# Altium PCB 智能锁实践教学平台.PcbDoc (part 3 of 3)
Units mil, origin at the board's own origin, x right, y up, seen from the top; angles counter-clockwise.
Board outline 8937.01 x 5984.25 mil, 2 copper layers (Top Layer, Bottom Layer); 219 components, 185 nets, 950 pads, 283 vias.
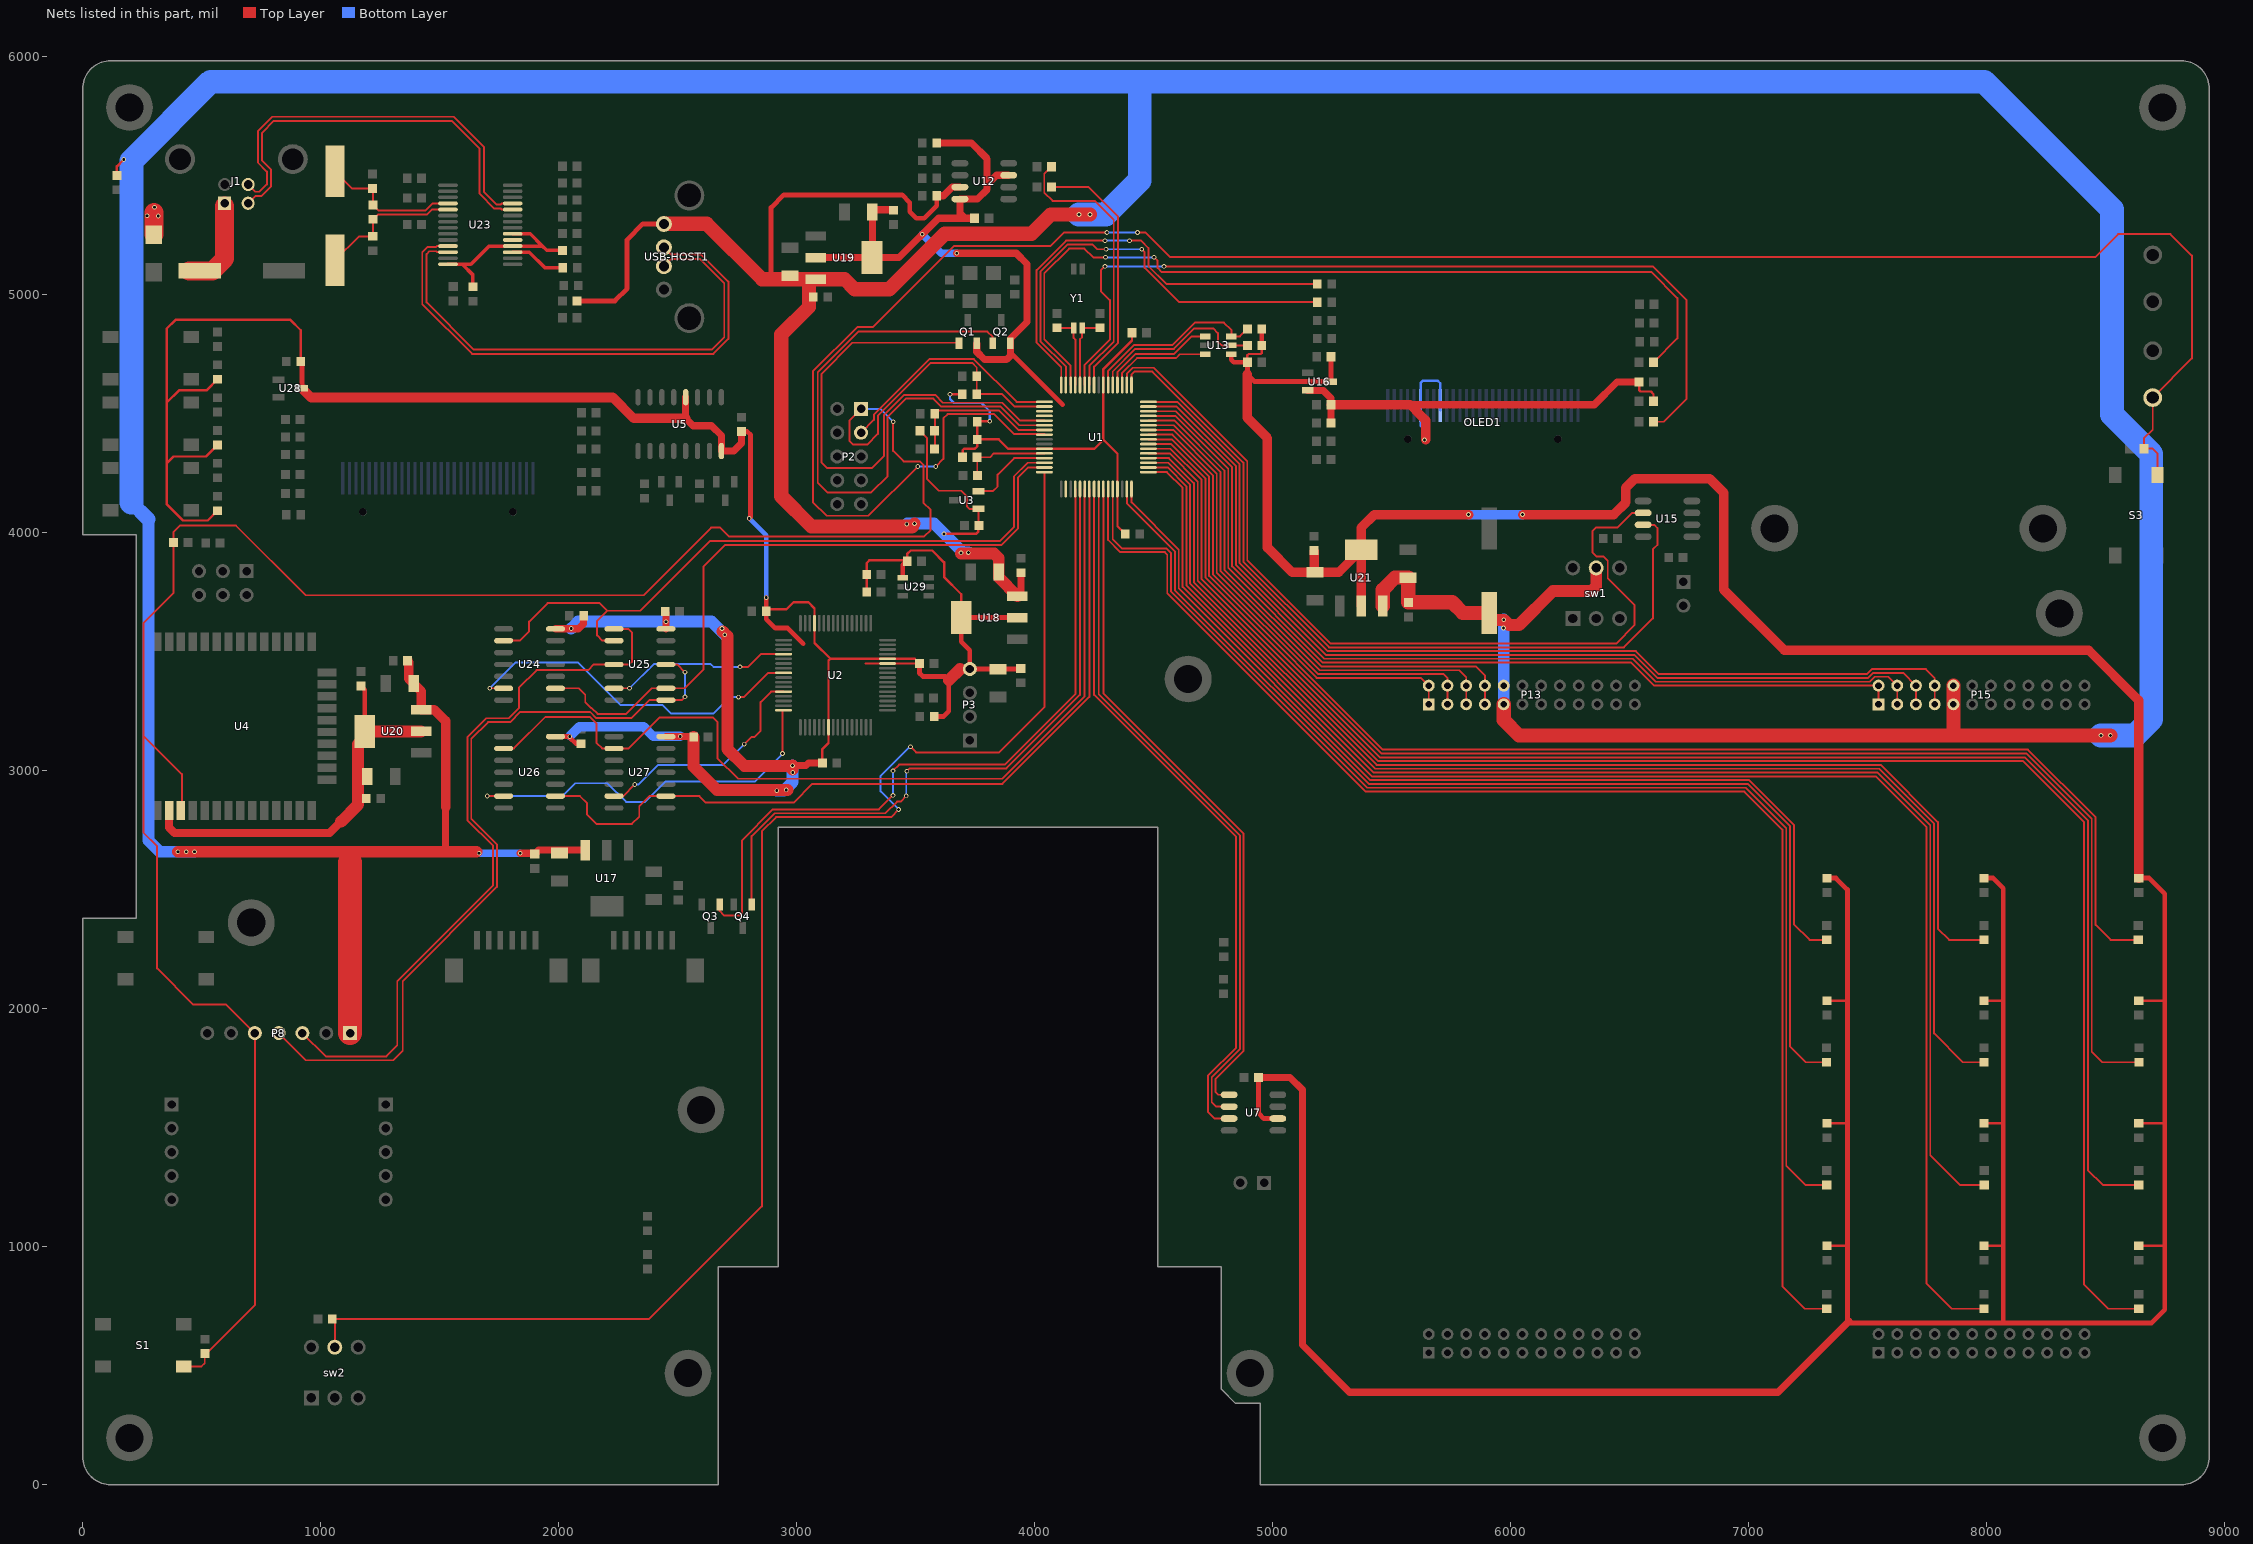
[diagram p3: the nets of this part, all layers, seen from the top]

## Via types
v1: diameter 19.68, hole 11.81, Top Layer to Bottom Layer, 283 vias

## Nets (pads, with @x,y where several pads share a name; then routed paths per layer and width w, separated by ;. In a path a pad name is that pad's centre, name@x,y a point inside that pad or via, vN(x,y) a via of type N, cw(c..) or ccw(c..) an arc to the next point about the centre after c; other vN are vias at no path point) (continued)
NRST: C2.2 C14.1 P2.1 P8.5 R1.2 R55.1 S1.1 U1.2 U4.3 | length 9843.6
  Top Layer w8: 255.5,3147.24 417,2985.74 U4.3@417,2850 ; S1.1@424.74,496.72 499.42,496.72 513,510.3 513,543.3 723.61,753.91 P8.5@723.61,1897.74 603.61,2017.74 465,2017.74 313,2169.74 313,2682.74 255,2740.74 255,3619.74 381.69,3746.43 381.69,4003.43 409,4030.74 644.37,4030.74 937.37,3737.74 2357,3737.74 2641,4021.74 2679,4021.74 2716,3984.74 3536,3984.74 3563,4011.74 3563,4096.74 3533,4126.74 3533,4285.63 3518.05,4300.58 3450.16,4300.58 3406,4344.74 v1(3406,4466.74) ; P2.1@3271,4520.74 3222,4471.74 3222,4386.74 3238,4370.74 3297,4370.74 3342,4415.74 3342,4491.11 3564.63,4713.74 3738.37,4713.74 3757.32,4694.8 R1.2@3757.32,4582.74 ; R1.2@3763.32,4582.74 3864,4582.74 3916.05,4530.69 U1.2@4041.5,4530.69
  Bottom Layer w8: P2.1@3271,4520.74 3352,4520.74 v1(3406,4466.74)
OLED_VCC: C21.1 C22.1 OLED1.6 OLED1.9 R21.1 R22.1 U16.2 | length 2446.3
  Top Layer w10: 5592,4503.74 5631,4464.74 5631,4391.74 v1@5644,4391.74 ; R21.1@6540.69,4634.07 6540.69,4600.05 6547,4593.74 6590,4593.74 6601.31,4582.43 R22.1@6601.31,4552.74
  Top Layer w30: U16.2@5147.79,4598.34 5213.4,4598.34 5246,4565.74 C21.1@5246,4538.03 C22.1@5246,4461.6 ; 5578.71,4538.03 6352.29,4538.03 6448.33,4634.07 R21.1@6540.69,4634.07
  Top Layer w40: C21.1@5246,4538.03 5578.71,4538.03 5644,4472.74 v1@5644,4391.74
  Bottom Layer w10: v1(5639,4390.74) 5639,4434.74 5622.43,4451.31 5622.43,4629.17 5633,4639.74 5694,4639.74 5705.1,4628.64 OLED1.9@5705.1,4515.75
OSC32_IN: C3.2 U1.60 Y1.1 | length 318.5
  Top Layer w8: U1.60@4191.1,4621.24 4191.1,4813.84 4200.11,4822.85 Y1.1@4200.11,4860.91 4274.49,4860.91 C3.2@4275,4861.43
OSC32_OUT: C1.2 U1.61 Y1.2 | length 311.6
  Top Layer w8: C1.2@4095,4861.43 Y1.2@4164.17,4861.43 ; Y1.2@4164.68,4860.91 4164.68,4819.06 4171.42,4812.32 U1.61@4171.42,4621.24
PA2: U1.3
PA3: U1.4
PA4: Q1.1 U1.5 | length 2240.7
  Top Layer w8: Q1.1@3682.71,4796.28 3682.71,4809.03 3672.42,4798.74 3235,4798.74 3105,4668.74 3105,4294.74 3127,4272.74 3318,4272.74 3367,4321.74 3367,4493.49 3453.25,4579.74 3582,4579.74 3615,4546.74 3864,4546.74 3939.1,4471.64 U1.5@4041.5,4471.64
PA5: Q2.1 U1.6 | length 2631
  Top Layer w8: Q2.1@3823.71,4796.28 3823.71,4824.03 3802,4845.74 3259.37,4845.74 3089,4675.37 3089,4210.74 3130,4169.74 3314,4169.74 3383,4238.74 3383,4486.86 3459.88,4563.74 3575.37,4563.74 3608.37,4530.74 3857.37,4530.74 3936.16,4451.95 U1.6@4041.5,4451.95
PA6: C30.2 R24.1 R25.2 U1.7 | length 652.3
  Top Layer w8: R25.2@3582.32,4355.74 3582.32,4514.74 3850,4514.74 3932.47,4432.27 U1.7@4041.5,4432.27
PA7: C31.1 P9.1 S3.1 U1.8 | length 9066.6
  Top Layer w8: v1(3509,4278.74) 3302,4071.74 3126,4071.74 3069,4128.74 3069,4678.74 3255,4864.74 3321,4864.74 3661,5204.74 4066,5204.74 4123,5261.74 v1(4304,5261.74) ; v1(3585,4278.74) 3617,4310.74 3617,4480.74 3635,4498.74 3831,4498.74 3915,4414.74 4041.5,4414.74 U1.8@4041.5,4412.58 ; v1(4433,5261.74) 4467,5261.74 4570,5158.74 8457,5158.74 8554,5255.74 8773,5255.74 8864,5164.74 8864,4733.29 P9.1@8699,4568.29 8699,4434.11 8662.31,4397.43 C31.1@8662.31,4353.74 8699,4353.74 8718.58,4334.16 S3.1@8718.58,4243.04
  Bottom Layer w8: v1(3509,4278.74) v1(3585,4278.74) ; v1(4304,5261.74) v1(4433,5261.74)
PB0: R27.1 U1.31 | length 4610.3
  Top Layer w8: U1.31@4387.95,4184.24 4387.95,4123.79 4590,3921.74 4590,3759.51 5404.77,2944.74 6996.37,2944.74 7175,2766.11 7175,1840.74 7240.31,1775.43 R27.1@7328,1775.43
PB1: R26.1 U1.32 | length 4079.2
  Top Layer w8: U1.32@4407.64,4184.24 4407.64,4127.81 4606,3929.45 4606,3766.14 5411.4,2960.74 7003,2960.74 7191,2772.74 7191,2355.74 7257.31,2289.43 R26.1@7329,2289.43
PB2: R33.1 U1.33 | length 6335.7
  Top Layer w8: U1.33@4478.5,4255.1 4555.97,4255.1 4622,4189.07 4622,3772.77 5418.03,2976.74 7536,2976.74 7748,2764.74 7748,845.74 7854.31,739.43 R33.1@7990,739.43
PB3: R32.1 U1.34 | length 5818.2
  Top Layer w8: U1.34@4478.5,4274.79 4558.91,4274.79 4638,4195.7 4638,3779.39 5424.65,2992.74 7542.63,2992.74 7764,2771.37 7764,1383.74 7888.31,1259.43 R32.1@7991,1259.43
PB4: R31.1 U1.35 | length 5315
  Top Layer w8: U1.35@4478.5,4294.47 4561.86,4294.47 4654,4202.33 4654,3786.02 5431.28,3008.74 7549.25,3008.74 7780,2777.99 7780,1896.74 7901.31,1775.43 R31.1@7990,1775.43
PB5: R30.1 U1.36 | length 4856.4
  Top Layer w8: U1.36@4478.5,4314.16 4564.8,4314.16 4670,4208.96 4670,3792.65 5437.91,3024.74 7555.88,3024.74 7796,2784.62 7796,2336.74 7843.31,2289.43 R30.1@7990,2289.43
PB6: R37.1 U1.37 | length 7033
  Top Layer w8: U1.37@4478.5,4333.84 4567.74,4333.84 4686,4215.58 4686,3799.27 5444.53,3040.74 8155,3040.74 8411,2784.74 8411,840.74 8512.31,739.43 R37.1@8640,739.43
PB7: R36.1 U1.38 | length 6547.9
  Top Layer w8: U1.38@4478.5,4353.53 4570.68,4353.53 4702,4222.21 4702,3805.9 5451.16,3056.74 8161.63,3056.74 8427,2791.37 8427,1321.74 8489.31,1259.43 R36.1@8640,1259.43
PC0: R14.1 U1.53 U13.5 | length 747.9
  Top Layer w8: U1.53@4328.9,4621.24 4328.9,4678.01 4423.63,4772.74 4585.37,4772.74 4671.37,4858.74 4752,4858.74 4771,4839.74 4771,4803.74 4787,4787.74 U13.5@4827.12,4787.74 R14.1@4894.69,4787.74
PC1: R13.1 U1.54 U13.6 | length 782.6
  Top Layer w8: U1.54@4309.21,4621.24 4309.21,4680.95 4417,4788.74 4578.75,4788.74 4673.75,4883.74 4796,4883.74 4827.12,4852.62 U13.6@4827.12,4825.14 4863.09,4825.14 R13.1@4894.69,4856.74
PC4: R19.1 U1.59 | length 3661
  Top Layer w8: U1.59@4210.79,4621.24 4210.79,4705.53 4317,4811.74 4317,4977.74 4279,5015.74 4279,5102.74 v1(4296,5119.74) ; v1(4544,5119.74) 6597,5119.74 6740,4976.74 6740,4562.74 6644,4466.74 R19.1@6601.31,4466.74
  Bottom Layer w8: v1(4296,5119.74) v1(4544,5119.74)
PC7: R20.1 U1.62 | length 3634.1
  Top Layer w8: U1.62@4151.73,4621.24 4151.73,4702.01 4041,4812.74 4041,5090.49 4145.25,5194.74 4210,5194.74 4247,5157.74 v1(4298,5157.74) ; v1(4502,5157.74) 4517,5142.74 4517,5113.74 4535,5095.74 6593,5095.74 6702,4986.74 6702,4817.43 R20.1@6601.31,4716.74
  Bottom Layer w8: v1(4298,5157.74) v1(4502,5157.74)
PD0: U1.25 U7.2 | length 2951.6
  Top Layer w8: U1.25@4269.84,4184.24 4269.84,3322.27 4863,2729.11 4863,1830.11 4745,1712.11 4745,1607.74 4764,1588.74 U7.2@4817.64,1588.74
PD1: U1.26 U7.1 | length 2888.7
  Top Layer w8: U1.26@4289.53,4184.24 4289.53,3325.21 4879,2735.74 4879,1823.49 4761,1705.49 4761,1649.74 4772,1638.74 U7.1@4817.64,1638.74
PD2: R29.1 U1.27 | length 5791.5
  Top Layer w8: U1.27@4309.21,4184.24 4309.21,3969.9 4360.37,3918.74 4547.75,3918.74 4558,3908.49 4558,3746.26 5391.52,2912.74 6983.12,2912.74 7143,2752.86 7143,833.74 7237.31,739.43 R29.1@7329,739.43
PD3: R28.1 U1.28 | length 5262.1
  Top Layer w8: U1.28@4328.9,4184.24 4328.9,3972.84 4367,3934.74 4554.37,3934.74 4574,3915.11 4574,3752.88 5398.14,2928.74 6989.75,2928.74 7159,2759.49 7159,1339.74 7239.31,1259.43 R28.1@7329,1259.43
PD4: P15.1 P15.2 U1.45 | length 3860.2
  Top Layer w8: U1.45@4478.5,4491.32 4591.28,4491.32 4814,4268.6 4814,3852.29 5211.55,3454.74 6507.12,3454.74 6603.75,3358.11 P15.2@7546.73,3358.11 P15.1@7546.73,3279.37
PD5: P15.3 P15.4 U1.46 | length 3964.5
  Top Layer w8: U1.46@4478.5,4511.01 4594.22,4511.01 4830,4275.23 4830,3858.92 5218.18,3470.74 6513.75,3470.74 6610.37,3374.11 7510.41,3374.11 7531.41,3395.11 7588.47,3395.11 P15.4@7625.47,3358.11 P15.3@7625.47,3279.37
PD6: P15.5 P15.6 U1.47 | length 4051.4
  Top Layer w8: U1.47@4478.5,4530.69 4597.17,4530.69 4846,4281.86 4846,3865.55 5224.81,3486.74 6520.37,3486.74 6617,3390.11 7503.78,3390.11 7524.78,3411.11 7651.21,3411.11 P15.6@7704.21,3358.11 P15.5@7704.21,3279.37
PD7: P15.7 P15.8 U1.48 | length 4156.9
  Top Layer w8: U1.48@4478.5,4550.38 4600.11,4550.38 4862,4288.49 4862,3872.18 5231.44,3502.74 6527,3502.74 6623.63,3406.11 7497.15,3406.11 7518.15,3427.11 7745.63,3427.11 7782.95,3389.79 P15.8@7782.95,3358.11 P15.7@7782.95,3279.37
PE1: Q3.1 U1.20 | length 3016.2
  Top Layer w8: Q3.1@2676.4,2437.95 2676.4,2411.34 2695,2392.74 2762,2392.74 2771,2401.74 2771,2707.74 2901,2837.74 3346,2837.74 v1(3405,2896.74) ; v1(3405,2999.74) 3431,3025.74 3875.37,3025.74 4171.42,3321.79 U1.20@4171.42,4184.24
  Bottom Layer w8: v1(3405,2896.74) v1(3405,2999.74)
PE2: Q4.1 U1.21 | length 2837.6
  Top Layer w8: Q4.1@2811.4,2437.95 2811.4,2725.51 2907.63,2821.74 3373.5,2821.74 3422.5,2870.74 3437,2870.74 v1(3461,2894.74) ; v1(3463.5,2998.24) 3475,3009.74 3882,3009.74 4191.1,3318.84 U1.21@4191.1,4184.24
  Bottom Layer w8: v1(3461,2894.74) 3461,2995.74 v1(3463.5,2998.24)
PE5: U1.24 U7.3 | length 3013.8
  Top Layer w8: U1.24@4250.16,4184.24 4250.16,3319.33 4847,2722.49 4847,1836.74 4729,1718.74 4729,1566.74 4757,1538.74 U7.3@4817.64,1538.74
PE6: R17.1 U1.63 | length 1870.1
  Top Layer w8: U1.63@4132.05,4621.24 4132.05,4699.06 4025,4806.11 4025,5097.11 4139.63,5211.74 4243,5211.74 4263,5191.74 v1(4301,5191.74) ; v1(4451,5191.74) 4463,5179.74 4463,5113.74 4607.43,4969.31 R17.1@5188.37,4969.31
  Bottom Layer w8: v1(4301,5191.74) v1(4451,5191.74)
PE7: R18.1 U1.64 | length 1876.2
  Top Layer w8: U1.64@4112.36,4621.24 4112.36,4696.13 4009,4799.49 4009,5103.74 4133,5227.74 v1(4296,5227.74) ; v1(4399,5227.74) 4448,5227.74 4479,5196.74 4479,5120.37 4553.63,5045.74 R18.1@5188.37,5045.74
  Bottom Layer w8: v1(4296,5227.74) v1(4399,5227.74)
PF0: R35.1 U1.39 | length 6056
  Top Layer w8: U1.39@4478.5,4373.21 4573.63,4373.21 4718,4228.84 4718,3812.53 5457.79,3072.74 8168.25,3072.74 8443,2797.99 8443,1818.74 8486.31,1775.43 R35.1@8641,1775.43
PF1: R34.1 U1.40 | length 5539.4
  Top Layer w8: U1.40@4478.5,4392.9 4576.57,4392.9 4734,4235.47 4734,3819.16 5464.42,3088.74 8174.88,3088.74 8459,2804.62 8459,2352.74 8522.31,2289.43 R34.1@8638,2289.43
PF4: P13.1 P13.2 U1.41 | length 1937.6
  Top Layer w8: U1.41@4478.5,4412.58 4579.51,4412.58 4750,4242.09 4750,3825.78 5185.04,3390.74 5624.1,3390.74 P13.2@5656.73,3358.11 P13.1@5656.73,3279.37
PF5: P13.3 P13.4 U1.42 | length 2043.3
  Top Layer w8: U1.42@4478.5,4432.27 4582.45,4432.27 4766,4248.72 4766,3832.41 5191.67,3406.74 5719,3406.74 5735.47,3390.27 P13.4@5735.47,3358.11 P13.3@5735.47,3279.37
PF6: P13.5 P13.6 U1.43 | length 2132.2
  Top Layer w8: U1.43@4478.5,4451.95 4585.4,4451.95 4782,4255.35 4782,3839.04 5198.3,3422.74 5785,3422.74 5814.21,3393.53 P13.6@5814.21,3358.11 P13.5@5814.21,3279.37
PF7: P13.7 P13.8 U1.44 | length 2223.3
  Top Layer w8: U1.44@4478.5,4471.64 4588.34,4471.64 4798,4261.98 4798,3845.67 5204.93,3438.74 5855,3438.74 5892.95,3400.79 P13.8@5892.95,3358.11 P13.7@5892.95,3279.37
PG2: C26.2 sw2.5 U1.16 | length 6295.4
  Top Layer w8: C26.2@1049.32,696.74 C26.2@1059.71,696.74 ; sw2.5@1059.71,578.22 C26.2@1059.71,696.74 ; v1(3429,2837.74) 3397,2805.74 2914.25,2805.74 2854,2745.49 2854,1169.74 2381,696.74 C26.2@1059.71,696.74 ; v1(3479,3100.74) 3502,3077.74 3852,3077.74 4041.5,3267.24 U1.16@4041.5,4255.1
  Bottom Layer w8: v1(3429,2837.74) 3353,2913.74 3353,2978.63 3475.11,3100.74 v1(3479,3100.74)
PG4: U1.49 U15.3 | length 3468.6
  Top Layer w8: U1.49@4407.64,4621.24 4407.64,4666.24 4419.14,4677.74 4495.37,4677.74 4878,4295.11 4878,3878.8 5238.06,3518.74 6477,3518.74 6599,3640.74 6599,3930.74 6618,3949.74 6618,4019.74 6604,4033.74 U15.3@6557.64,4033.74
PG5: U1.50 U15.2 | length 3677.3
  Top Layer w8: U1.50@4387.95,4621.24 4387.95,4669.18 4412.51,4693.74 4502,4693.74 4894,4301.74 4894,3885.43 5244.69,3534.74 6444,3534.74 6521,3611.74 6521,3697.74 6409,3809.74 6409,3881.74 6390,3900.74 6361,3900.74 6344,3917.74 6344,4005.74 6361,4022.74 6451,4022.74 6512,4083.74 U15.2@6557.64,4083.74
PG6: U1.51 U13.3 | length 431.9
  Top Layer w8: U1.51@4368.27,4621.24 4368.27,4672.13 4430.88,4734.74 4595,4734.74 4610.6,4750.34 U13.3@4716.88,4750.34
PG7: U1.52 U13.1 | length 484.3
  Top Layer w8: U1.52@4348.58,4621.24 4348.58,4675.07 4424.25,4750.74 4586,4750.74 4660.4,4825.14 U13.1@4716.88,4825.14
SIM7020-RX: P8.4 U25.8 U25.11 | length 3294.3
  Top Layer w8: P8.4@823.61,1897.74 937.61,1783.74 1112,1783.74 1305,1783.74 1345,1823.74 1345,2115.74 1741,2511.74 1741,2691.37 1633,2799.37 1633,3134.11 1703.63,3204.74 1796.63,3204.74 1839.63,3247.74 2132,3247.74 2158,3221.74 2306,3221.74 2381,3296.74 U25.8@2451.01,3296.74 2517,3296.74 v1(2531,3310.74) ; U25.11@2451.01,3446.74 2499,3446.74 v1(2531,3414.74)
  Bottom Layer w8: v1(2531,3310.74) v1(2531,3414.74)
SIM7020-TX: P8.3 U25.1 U25.4 | length 3042
  Top Layer w8: P8.3@923.61,1897.74 1021.61,1799.74 1105.37,1799.74 1276,1799.74 1322,1845.74 1322,2115.37 1725,2518.37 1725,2684.74 1617,2792.74 1617,3140.74 1697,3220.74 1790,3220.74 1833,3263.74 1833,3348.74 1907.7,3423.44 2123.7,3423.44 2147,3446.74 U25.4@2232.98,3446.74 2297,3446.74 2308,3457.74 2308,3581.74 2293,3596.74 U25.1@2232.98,3596.74
SUSPEND: U23.19
SWD_USB_N: U23.11 USB-HOST1.2 | length 2308.7
  Top Layer w8: U23.11@1535.17,5205.17 1489.83,5205.17 1486.04,5201.38 1449.54,5201.38 1427,5178.83 1427,4961.28 1636.54,4751.74 2650.46,4751.74 2714,4815.28 2714,5055.95 2600.46,5169.49 2472.5,5169.49 USB-HOST1.2@2442.25,5199.74
SWD_USB_P: U23.12 USB-HOST1.3 | length 2189.4
  Top Layer w8: U23.12@1535.17,5179.58 1489.83,5179.58 1486.04,5183.38 1457,5183.38 1445,5171.38 1445,4968.74 1644,4769.74 2643,4769.74 2696,4822.74 2696,5048.49 2593,5151.49 2472.5,5151.49 USB-HOST1.3@2442.25,5121.24
SWIM: P2.3 U1.1 | length 985.7
  Top Layer w8: P2.3@3271,4420.74 3325,4474.74 3325,4496.74 3558,4729.74 3745,4729.74 3924.36,4550.38 U1.1@4041.5,4550.38
USART1-LOG-RX: R8.1 U1.57 | length 1080.1
  Top Layer w8: R8.1@4071.31,5453.74 4225,5453.74 4351,5327.74 4351,4799.11 4250.16,4698.27 U1.57@4250.16,4621.24
USART1-LOG-TX: R11.1 U1.58 | length 1197.9
  Top Layer w8: R11.1@4071.31,5538.74 4040.99,5508.42 4040.99,5429.49 4075.75,5394.74 4254,5394.74 4333,5315.74 4333,4803.74 4230.47,4701.21 U1.58@4230.47,4621.24
USART2_BIOVO_EN: U2.44 U27.6 | length 965.1
  Top Layer w8: U27.6@2232.98,2893.74 2271,2893.74 v1(2320,2942.74) ; v1(2780.5,3112.24) 2811,3142.74 2824,3142.74 2849,3167.74 2849,3288.37 2893.47,3332.84 U2.44@2945.5,3332.84
  Bottom Layer w8: v1(2320,2942.74) 2335.89,2942.74 2417.89,3024.74 2693,3024.74 v1(2780.5,3112.24)
USART2_F1020_EN: U2.48 U26.6 | length 1626.8
  Top Layer w8: v1(1700,2893.74) U26.6@1768.98,2893.74 ; v1(2941,3072.74) U2.48@2941,3249.6
  Bottom Layer w8: v1(1700,2893.74) 2016,2893.74 2070,2947.74 2205.37,2947.74 2283.37,2869.74 2363.63,2869.74 2448.63,2954.74 2825,2954.74 2941,3070.74 v1(2941,3072.74)
USART2_RX: U1.22 U26.2 U27.2 | length 3863.4
  Top Layer w8: U26.2@1768.98,3093.74 1812,3093.74 1945,3226.74 2130,3226.74 2160,3196.74 2160,3116.74 2183,3093.74 U27.2@2232.98,3093.74 2295,3093.74 2426,3224.74 2648,3224.74 2667,3205.74 2667,3053.74 2754,2966.74 3864,2966.74 4210.79,3313.53 U1.22@4210.79,4184.24
USART2_TX: U1.23 U26.9 U27.9 | length 3463
  Top Layer w8: U26.9@1987.01,2893.74 2090,2893.74 2120,2863.74 2120,2815.74 2159,2776.74 2308,2776.74 2339,2807.74 2339,2851.74 2381,2893.74 U27.9@2451.01,2893.74 2592,2893.74 2619,2866.74 2988,2866.74 3066,2944.74 3864.63,2944.74 4230.47,3310.58 U1.23@4230.47,4184.24
USART3_ESP32_EN: U2.40 U24.6 | length 1497.3
  Top Layer w8: v1(1711,3346.74) U24.6@1768.98,3346.74 ; v1(2756,3309.74) 2778.37,3309.74 2880.21,3411.58 U2.40@2945.5,3411.58
  Bottom Layer w8: v1(1711,3346.74) 1820,3455.74 2081,3455.74 2261,3275.74 2437,3275.74 2471.84,3240.9 2651.16,3240.9 2720,3309.74 v1(2756,3309.74)
USART3_NB_EN: U2.36 U25.6 | length 781.9
  Top Layer w8: U25.6@2232.98,3346.74 v1(2298,3346.74) ; v1(2762,3436.74) 2796,3436.74 2849.58,3490.32 U2.36@2945.5,3490.32
  Bottom Layer w8: v1(2298,3346.74) 2400,3448.74 2639,3448.74 2651,3436.74 v1(2762,3436.74)
USART3_RX: U1.14 U24.2 U25.2 | length 2958.7
  Top Layer w8: U24.2@1768.98,3546.74 1836,3546.74 1876,3586.74 1876,3627.11 1953.63,3704.74 2172,3704.74 2204,3672.74 ; U25.2@2232.98,3546.74 2184,3546.74 2162,3568.74 2162,3630.74 2204,3672.74 ; U1.14@4041.5,4294.47 3970.73,4294.47 3913,4236.74 3913,4023.74 3855,3965.74 2637,3965.74 2344,3672.74 2204,3672.74
USART3_TX: U1.15 U24.9 U25.9 | length 2924.6
  Top Layer w8: U24.9@1987.01,3346.74 2084,3346.74 2112,3318.74 2112,3288.74 2137,3263.74 2138.63,3263.74 2163.63,3238.74 2284,3238.74 2392,3346.74 U25.9@2451.01,3346.74 2530,3346.74 2609,3425.74 2609,3858.74 2700,3949.74 3862,3949.74 3930,4017.74 3930,4231.11 3973.68,4274.79 U1.15@4041.5,4274.79
USB_N: J1.2 U23.24 | length 1704.9
  Top Layer w8: J1.2@695.21,5385.04 725.58,5415.41 750.46,5415.41 792,5456.95 792,5525.74 754,5563.74 754,5680.74 804,5730.74 1552,5730.74 1668,5614.74 1668,5425.06 1730.54,5362.51 1757.69,5362.51 1761.49,5358.72 U23.24@1806.83,5358.72
USB_P: J1.3 U23.25 | length 1704.9
  Top Layer w8: J1.3@695.21,5463.78 725.58,5433.41 743,5433.41 774,5464.41 774,5518.28 736,5556.28 736,5688.2 796.54,5748.74 1559.46,5748.74 1686,5622.2 1686,5432.51 1738,5380.51 1757.69,5380.51 1761.49,5384.31 U23.25@1806.83,5384.31
USB_PWREDN: R43.2 U23.17 | length 238.1
  Top Layer w15: U23.17@1806.83,5179.58 1877.16,5179.58 1943,5113.74 R43.2@2017.68,5113.74
VCC3.3V: C15.1 C23.2 C29.1 C49.1 C51.1 D6.A D7.A D8.A D9.A D10.A D11.A D12.A D13.A D14.A D15.A D16.A D17.A R13.2 R14.2 U7.6 U13.4 U16.3 U21.2 | length 19153.6
  Top Layer w10: C23.2@4894.68,4716.74 4894.68,4746.43 4900,4751.74 4951,4751.74 4955.32,4756.06 R14.2@4955.32,4787.74 ; D9.A@7330,1004.06 7414.32,1004.06 ; D8.A@7330,1519.06 7415.32,1519.06 ; D7.A@7330,2034.06 7415.68,2034.06 ; D13.A@7990,1004.06 8070.68,1004.06 ; D12.A@7990,1519.06 8069.68,1519.06 ; D11.A@7990,2034.06 8067.32,2034.06 ; D17.A@8640,1004.06 8748.32,1004.06 ; D16.A@8640,1519.06 8749.32,1519.06 ; D15.A@8640,2034.06 8745.32,2034.06
  Top Layer w20: U13.4@4827.12,4750.34 4827.12,4727.62 4838,4716.74 C23.2@4894.68,4716.74 4894.68,4666.06 4925,4635.74 U16.3@5246.21,4635.74 C29.1@5246.21,4739.74 ; C15.1@4941.32,1711.74 4941.32,1560.43 4963,1538.74 U7.6@5022.36,1538.74 ; R14.2@4955.32,4787.74 R13.2@4955.32,4856.74 ; D6.A@7330,2549.06 7367.68,2549.06 7416,2500.74 7416,679.74 8694,679.74 8750,735.74 8750,2482.74 8683.68,2549.06 D14.A@8640,2549.06 ; D10.A@7990,2549.06 8028.68,2549.06 8071,2506.74 8071,680.74
  Top Layer w30: C15.1@4941.32,1711.74 5074,1711.74 5126,1659.74 5126,586.74 5324,388.74 7125,388.74 7423,686.74
  Top Layer w40: 4894.68,4666.06 4894.68,4482.74 4979,4398.43 4979,3937.74 5082.34,3834.4 C49.1@5178,3834.4 5278.55,3834.4 U21.2@5373,3928.85 ; C49.1@5175,3837.4 C51.1@5175,3922.43 ; U21.2@5373,3692.63 U21.2@5373,3928.85 ; v1(5824,4076.74) 5428,4076.74 5373,4021.74 U21.2@5373,3928.85 ; v1(6051,4076.74) 6434,4076.74 6485,4127.74 6485,4189.74 6522,4226.74 6838,4226.74 6896,4168.74 6896,3761.74 7151,3506.74 8430,3506.74 8640,3296.74 D14.A@8640,2549.06
  Bottom Layer w40: v1(5824,4076.74) v1(6051,4076.74)
VCC3.3V-ESP: C45.1 C47.1 R57.2 U4.2 U20.2 | length 1644.8
  Top Layer w20: R57.2@1170,3356.43 1185.89,3340.54 U20.2@1185.89,3165.74
  Top Layer w35: U4.2@363,2833.74 363,2761.74 386,2738.74 1038,2738.74 1086,2786.74
  Top Layer w50: 1086,2786.74 1157,2857.74 1157,3111.74 U20.2@1180,3134.74 ; U20.2@1185.89,3165.74 U20.2@1422.11,3165.74
VCC3.3V-MCU: C5.2 C7.2 C8.2 C9.2 C17.2 C41.1 C43.1 L1.1 Q1.2 Q2.2 R1.1 R7.2 U1.11 U1.29 U1.55 U12.3 U12.8 U19.2 | length 5215.9
  Top Layer w10: v1(3645,4582.74) R1.1@3696.69,4582.74 ; L1.1@3697.69,4317.74 3697.69,4346.43 3705,4353.74 3750,4353.74 3759.32,4363.06 C5.2@3759.32,4392.74 ; v1(3812,4468.74) 3761.32,4468.74 C8.2@3759.32,4466.74 C5.2@3759.32,4392.74 ; C9.2@4381.68,3994.74 4348.58,4027.85 U1.29@4348.58,4184.24 4348.58,4332.16 4289.53,4391.21 ; C7.2@4409.68,4840.74 4409.68,4808.3 4289.53,4688.15 U1.55@4289.53,4621.24 4289.53,4391.21 ; C5.2@3759.32,4392.74 3850,4392.74 3889.21,4353.53 U1.11@4041.5,4353.53 4251.85,4353.53 4289.53,4391.21
  Top Layer w20: Q2.2@3898.51,4789.25 3898.51,4758.23 4118,4538.74
  Top Layer w30: U19.2@3080.89,5156.74 U19.2@3317.11,5156.74 ; C43.1@3411.68,5357.74 3327.66,5357.74 C41.1@3318.66,5348.74 3318.66,5158.29 U19.2@3317.11,5156.74 ; R7.2@3589.32,5637.74 3735,5637.74 3801,5571.74 3801,5463.74 ; v1(3673,5174.74) 3923,5174.74 3968,5129.74 3968,4885.74 3898.51,4816.25 Q2.2@3898.51,4796.28 3898.51,4744.25 3883,4728.74 3790,4728.74 3757.51,4761.23 Q1.2@3757.51,4796.28 ; C17.2@3747.68,5321.74 3708,5321.74 ; U12.3@3891.36,5502.74 3840,5502.74 3801,5463.74 ; U19.2@3317.11,5156.74 3431,5156.74 3596,5321.74 3708,5321.74 ; 3708,5321.74 3686.64,5343.1 U12.8@3686.64,5402.74 3761,5402.74 3801,5442.74 3801,5463.74
  Bottom Layer w10: v1(3645,4582.74) 3645,4562.74 3662,4545.74 3777,4545.74 3812,4510.74 v1(3812,4468.74)
  Bottom Layer w30: v1(3528,5254.74) 3608,5174.74 v1(3673,5174.74)
VCC3.3V-MONITOR: C10.2 C11.2 C12.2 C35.1 C39.1 C72.2 C75.1 C76.2 C78.2 C79.2 C80.2 C81.2 P3.4 R2.2 R44.2 R47.2 R48.2 R53.2 R54.2 U2.11 U2.12 U2.29 U2.55 U5.4 U5.16 U18.2 U24.14 U25.14 U26.14 U27.14 U28.3 U29.4 | length 12398.6
  Top Layer w10: R48.2@567,4093.43 525.32,4051.74 422.27,4051.74 353,4121.01 353,4291.74 ; R47.2@567,4369.42 518.32,4320.74 382,4320.74 353,4291.74 ; R44.2@567,4645.42 520.32,4598.74 405,4598.74 353,4546.74 ; C75.1@916.32,4719.74 916.32,4851.43 873,4894.74 390,4894.74 353,4857.74 353,4546.74 ; C10.2@2874.32,3678.74 2958,3678.74 2988,3708.74 3049,3708.74 3075.42,3682.32 U2.29@3075.42,3620.24 3075.42,3537.32 3142.1,3470.64 ; C11.2@3108.68,3032.74 3108.68,3091.43 3134.47,3117.21 U2.55@3134.47,3183.24 3134.47,3463.01 3142.1,3470.64 ; 3290.79,3450.95 U2.11@3382.5,3450.95 ; R53.2@3294.68,3751.74 R54.2@3294.68,3824.74 3294.68,3873.43 3306,3884.74 3464.68,3884.74 3464.68,3910.43 3480,3925.74 3570,3925.74 3620,3875.74 3620,3813.74 3691.89,3741.85 U18.2@3691.89,3643.74 ; U2.11@3382.71,3450.74 C12.2@3516.68,3450.74 3496.78,3470.64 U2.12@3382.5,3470.64 3142.1,3470.64 ; 353,4291.74 353,4546.74
  Top Layer w20: U28.3@921.76,4606.74 C75.1@921.76,4714.29 ; U26.14@1987.01,3143.74 v1(2047,3143.74) 2047,3139.74 2073.32,3113.43 C79.2@2094.68,3113.43 ; C78.2@2768,4425.43 2793.32,4425.43 2807,4411.74 2807,4066.74 v1(2801,4060.74) ; v1(2873,3727.74) 2873,3636.74 2910,3599.74 2963,3599.74 3028.5,3534.24 ; U29.4@3445.88,3811.14 3445.88,3865.94 3464.68,3884.74 C76.2@3464.68,3871.77 ; C12.2@3516.68,3450.74 3516.68,3410.06 3530,3396.74 3624,3396.74 3640,3380.74 3640,3250.74 3618,3228.74 R2.2@3578.32,3228.74 ; 3687,3427.74 P3.4@3728,3427.74 ; C35.1@3847,3427.4 C39.1@3939.35,3427.4 ; C35.1@3859,3427.74 P3.4@3728,3427.74 ; U18.2@3928.11,3643.74 U18.2@3691.89,3643.74 3691.89,3541.85 3728,3505.74 P3.4@3728,3427.74
  Top Layer w30: U24.14@1987.01,3596.74 2084,3596.74 2105.32,3618.06 C72.2@2105.32,3651.74 ; U27.14@2451.01,3143.74 C80.2@2572.32,3143.74 ; U25.14@2451.01,3596.74 v1(2451.01,3626.74) C81.2@2451.01,3665.41 ; U5.4@2534,4569.83 2534,4480.74 2565,4449.74 2643,4449.74 2684,4408.74 U5.16@2684,4343.65 2735.91,4343.65 2768,4375.74 C78.2@2768,4425.43 ; v1(2983,3021.74) 3039,3021.74 3050,3032.74 C11.2@3108.68,3032.74
  Top Layer w40: U28.3@921.76,4606.74 959.76,4568.74 2228,4568.74 2316,4480.74 2534,4480.74
  Top Layer w50: C80.2@2567.68,3141.74 2567.68,3017.06 2665,2919.74 v1(2957,2919.74) v1@2962,2919.74 ; 2689,3585.74 2709,3565.74 2709,3091.74 2780.34,3020.4 2981.66,3020.4 v1(2983,3021.74) 2983,3004.74 ; 3640,3380.74 3687,3427.74
  Bottom Layer w20: v1(2801,4060.74) 2802,4060.74 2873,3989.74 v1(2873,3727.74)
  Bottom Layer w40: v1@2050,3147.74 2087.84,3185.58 2357.16,3185.58 2398,3144.74 v1(2511,3144.74)
  Bottom Layer w50: v1(2053,3597.74) 2082,3626.74 v1(2451.01,3626.74) 2643,3626.74 v1(2698,3571.74) ; v1(2917,2916.74) 2947,2916.74 2983,2952.74 v1(2983,3021.74)
  other v1: 2984,2992.74 2687,3597.74
VCC5V: C13.2 C16.1 C18.1 C32.1 C34.1 C36.1 C38.1 C40.1 C42.1 C44.1 C46.1 C48.1 C50.1 C77.1 D5.A D18.2 J1.1 P8.1 P13.9 P13.10 P15.9 P15.10 R24.2 R41.2 sw1.5 U3.1 U12.7 U17.3 U18.3 U19.3 U20.3 U21.3 USB-HOST1.1 | length 30329.2
  Top Layer w8: R24.2@3518.68,4428.74 3549,4398.43 3549,4225.74 3598,4176.74 3693,4176.74 3716,4153.74 3716,4110.74 3726.4,4100.34 U3.1@3764.21,4100.34 C13.2@3764.21,4032.84
  Top Layer w10: D5.A@144,5502.06 144,5539.74 v1(173,5568.74) ; v1(3620,3995.74) 3754,3995.74 3764.21,4005.95 C13.2@3764.21,4032.84
  Top Layer w20: R41.2@2077.31,4974.52 2236.78,4974.52 2288,5025.74 2288,5231.74 2354.6,5298.34 USB-HOST1.1@2442.25,5298.34 ; C40.1@2972,5080.08 2893,5080.08 2893,5366.74 2946,5419.74 3444,5419.74 3476,5387.74 3476,5349.74 3504,5321.74 3536,5321.74 3589.32,5375.06 C18.1@3589.32,5416.74
  Top Layer w30: 1525,2659.74 1525,2846.74 ; v1(1839,2653.74) 1903.68,2653.74 1916.8,2666.85 U17.3@2112.45,2666.85 ; C40.1@2972,5080.08 C40.1@2985.89,5066.19 ; C18.1@3589.32,5416.74 3618,5416.74 3654,5452.74 U12.7@3686.64,5452.74 ; U18.3@3943,3749.18 C38.1@3943,3832.43
  Top Layer w40: C46.1@1365.32,3462.74 1371,3457.06 1371,3386.4 C44.1@1390.66,3366.74 1422.11,3335.29 U20.3@1422.11,3256.29 1478.45,3256.29 1525,3209.74 1525,2846.74
  Top Layer w50: v1(400,2659.74) v1(435,2659.74) v1(470,2659.74) 1525,2659.74 1655,2659.74 ; 3484,4026.74 v1(3496,4038.74) ; v1@3691,3912.74 3831,3912.74 3849.66,3894.08 C34.1@3849.66,3835.74 3849.66,3812.74 U18.3@3928.11,3734.29 ; C77.1@5942,3633.74 5973,3633.74 5994,3612.74 6036,3612.74 6179,3755.74 6341,3755.74 6360.71,3775.45 sw1.5@6360.71,3852.6
  Top Layer w60: USB-HOST1.1@2442.25,5298.34 2622.4,5298.34 2854.55,5066.19 2985.89,5066.19 U19.3@3080.89,5066.19 3201.55,5066.19 3244,5023.74 3390,5023.74 3623,5256.74 3987,5256.74 4068,5337.74 v1(4187,5337.74) v1(4233,5337.74) ; 3052,5035.74 3052,4949.06 2936,4833.06 2936,4153.74 3063,4026.74 3484,4026.74 ; U21.3@5463.55,3692.63 5463.55,3760.29 5515.34,3812.08 C48.1@5570,3812.08 5570,3708.06 5755.68,3708.06 5800.17,3663.58 C77.1@5911,3663.58 ; P13.9@5971.69,3279.37 5971.69,3213.05 6036,3148.74 v1(8482,3148.74) v1(8521,3148.74) ; 7861.69,3160.74 P15.10@7861.69,3358.11
  Top Layer w80: D18.2@299,5253.04 299,5346.3 ; C16.1@447,5101.3 546.17,5101.3 596.78,5151.92 J1.1@596.78,5373.74
  Top Layer w100: P8.1@1123.61,1897.74 1123.61,2614.13
  Bottom Layer w30: v1(1666,2653.74) v1(1839,2653.74)
  Bottom Layer w50: 205,5141.74 213,5141.74 ; 276,4056.74 276,2707.74 324,2659.74 v1(400,2659.74) v1(435,2659.74) v1(470,2659.74) ; v1@3465,4038.74 v1(3496,4038.74) 3578,4038.74 3700,3916.74 v1(3722,3916.74) ; P13.9@5971.69,3279.37 v1(5971.69,3635.05)
  Bottom Layer w60: 205,4127.74 276,4056.74
  Bottom Layer w100: 205,4127.74 205,5141.74 205,5562.74 538,5895.74 4442,5895.74 ; v1(4187,5337.74) v1(4233,5337.74) 4299,5337.74 4442,5480.74 4442,5895.74 ; v1(8482,3148.74) v1(8521,3148.74) 8625,3148.74 8693,3216.74 8693,4331.74 8528,4496.74 8528,5358.74 7991,5895.74 4442,5895.74
  other v1: 5971,3599.74 3691,3915.74 3463,4036.74 318,5331.3 271,5332.3 302,5368.3
VDD: C52.2 C62.2 U23.14 U23.18 U23.20 | length 779.7
  Top Layer w15: U23.14@1535.17,5128.4 1595.34,5128.4 ; C62.2@1640,5034.06 1640,5083.74 1595.34,5128.4 ; U23.20@1806.83,5256.35 1880.39,5256.35 1931.57,5205.17 ; C52.2@2016.68,5186.85 1949.89,5186.85 1931.57,5205.17 ; 1595.34,5128.4 1631.66,5128.4 1708.43,5205.17 U23.18@1806.83,5205.17 1931.57,5205.17
VDDA: C6.2 L1.2 U1.12 | length 363.9
  Top Layer w8: C6.2@3759.32,4245.74 L1.2@3759.32,4320.74 ; L1.2@3759.32,4317.74 3813,4317.74 3829.1,4333.84 U1.12@4041.5,4333.84
VLCD: U1.18
VREF: U1.13 U3.2 | length 364.2
  Top Layer w8: U3.2@3764.21,4175.14 3825.4,4175.14 3845,4194.74 3845,4244.74 3914.42,4314.16 U1.13@4041.5,4314.16
XSCI: C60.1 R39.1 U23.5 Y2.1 | length 605
  Top Layer w8: Y2.1@1060,5144.73 1161.32,5246.06 C60.1@1219,5246.06 1220,5247.06 R39.1@1220,5317.43 1240.31,5337.74 1447,5337.74 1467.98,5358.72 U23.5@1535.17,5358.72
XSCO: C59.1 R39.2 U23.4 Y2.2 | length 595.6
  Top Layer w8: Y2.2@1060,5518.75 1131.32,5447.43 C59.1@1218,5447.43 1220,5445.43 R39.2@1220,5378.06 1244.32,5353.74 1440,5353.74 1470.57,5384.31 U23.4@1535.17,5384.31
pads on no net: OLED1. OLED1.7 OLED1.20 OLED2. OLED2.7 OLED2.20 P2.2 P2.4 P2.6 P2.7 P2.8 P2.9 P2.10 P5.7 P5.8 P6.7 P6.8 P8.6 P8.7 P11.1 P11.2 P11.3 P11.4 P11.5 P12.1 P12.2 P12.3 P12.4 P12.5 P14.1 P14.2 P14.3 P14.4 P14.5 P14.6 P14.7 P14.8 P14.9 P14.10 P14.11 P14.12 P14.13 P14.14 P14.15 P14.16 P14.17 P14.18 P14.19 P14.20 P14.21 P14.22 P14.23 P14.24 P16.1 P16.2 P16.3 P16.4 P16.5 P16.6 P16.7 P16.8 P16.9 P16.10 P16.11 P16.12 P16.13 P16.14 P16.15 P16.16 P16.17 P16.18 P16.19 P16.20 P16.21 P16.22 P16.23 P16.24 S1.3 S1.4 S2.3 S2.4 S3.3 S3.4 S4.3 S4.4 S5.3 S5.4 S6.3 S6.4 sw1.1 sw1.2 sw1.3 sw1.6 sw2.1 sw2.2 sw2.3 sw2.4 U2.3 U2.4 U2.5 U2.6 U2.7 U2.8 U2.13 U2.18 U2.19 U2.20 U2.28 U2.31 U2.32 U2.49 U2.50 U2.51 U2.52 U2.53 U2.54 U2.57 U2.58 U2.59 U2.60 U2.61 U2.62 U2.63 U2.64 U4.4 U4.5 U4.6 U4.7 U4.8 U4.9 U4.10 U4.11 U4.12 U4.13 U4.14 U4.16 U4.17 U4.18 U4.19 U4.20 U4.21 U4.22 U4.23 U4.24 U4.26 U4.29 U4.30 U4.31 U4.32 U4.33 U4.36 U4.37 U5.7 U5.8 U5.9 U5.10 U5.11 U5.12 U5.15 U6.0 U6.1 U7.8 U14.0 U14.1 U15.1 U23.6 U23.7

## Polygon pours and split planes (outlines as drawn)
VCC5V on Top Layer "Bottom Layer-No Net" (solid, remove dead copper, pour order 12): 372,2686.74 1246,2686.74 1364,2804.74 1491,2931.74 1491,3147.74 1491,3234.74 1513,3256.74 1550,3219.74 1565,3204.74 1565,3166.74 1565,2803.74 1565,2782.74 1660,2687.74 1678,2669.74 1678,2654.74 1678,2608.74 1632,2562.74 412,2562.74 400,2574.74 364,2610.74 364,2643.74 364,2678.74
VCC5V on Top Layer "Bottom Layer-No Net" (solid, remove dead copper, pour order 9): 1379,3257.74 1379,3303.74 1356,3326.74 1344,3338.74 1344,3408.74 1344,3443.74 1381,3480.74 1544,3317.74 1544,3202.74 1521,3202.74 1499,3224.74 1477,3246.74 1430,3246.74
3.3V-FINGER on Top Layer "Bottom Layer-No Net" (solid, remove dead copper, pour order 10): 2223,2540.74 2282,2481.74 2386,2481.74 2476,2481.74 2491,2466.74 2519.79,2437.95 2522.47,2437.95 2474.26,2389.74 2259,2389.74 2259,2408.74 2211,2456.74
VCC3.3V-MONITOR on Top Layer "Bottom Layer-No Net" (solid, remove dead copper, pour order 14): 3735,3678.74 3735,3577.74 3795,3517.74 3840,3472.74 3902,3472.74 3937,3472.74 3961,3448.74 3961,3427.74 3945,3411.74 3784,3411.74 3770,3397.74 3678,3397.74 3673,3402.74 3619,3456.74 3619,3575.74 3619,3665.74 3660,3706.74
GND on Bottom Layer "Bottom Layer-No Net" (solid, remove dead copper, pour order 13): -685,-784.7 -685,6201.3 371,6201.3 9272,6201.3 9272,-701.7 7014,-701.7 7014,604.3 7014,2879.3 5748,2879.3 5164,2879.3 5164,1525.3 5164,-546.7 4979,-546.7

## Keep-outs
Keep-Out Layer:
  lines w10: 0,118.11 ccw(c118.11,118.11) 118.11,0 2670,0 2670,915.74 2923,915.74 2923,2763.74 4517,2763.74 4517,915.74 4785,915.74 4785,401.74 4845,341.74 4949,341.74 4949,0 8818.9,0 ccw(c8818.9,118.11) 8937.01,118.11 8937.01,5866.14 ccw(c8818.9,5866.14) 8818.9,5984.25 118.11,5984.25 ccw(c118.11,5866.14) 0,5866.14 0,3992.74 226,3992.74 226,2379.74 0,2379.74 0,120 ; 7229,3563.74 8121,3563.74 8121,4234.74 8240,4234.74 8240,4738.74 6938,4738.74 6938,4405.74 7229,4405.74 7229,3567.74 ; 1450,1796.74 2706,1796.74 2706,1972.74 1450,1972.74 1450,1796.74 ; 1465,1329.74 2295,1329.74 2295,1498.74 1465,1498.74 1465,1329.74

## Other copper
Top Layer:
  rectangle net VCC3.3V: 5162,3811.74 5381,3942.74
  rectangle net VCC5V: 5480,3705.74 5605,3794.74
  rectangle net VCC5V: 5889,3578.74 6004,3629.74
  rectangle net VCC3.3V-MONITOR: 3002,3236.74 3331,3563.74
  rectangle net VCC3.3V-MCU: 4093,4235.74 4420,4566.74
Bottom Layer:
  rectangle net VCC5V: 175,5291.74 625,5412.74
  rectangle net MOTOR_A: 6575,3755.74 6761,3840.74
  rectangle net MOTOR_B: 6574,3650.74 6759,3724.74
  rectangle net NetP4_2: 4820,1096.74 4900,1295.74
  rectangle net NetP4_1: 4930,1096.74 5008,1295.74

## Silkscreen, mask and mechanical layers (free items; w line width, h text height)
Top Overlay:
  circle w10: c8629.8,973 r135.09
  circle w10: c7979.8,973 r135.09
  circle w10: c7339.8,973 r135.09
  circle w10: c7339.8,1489.67 r135.09
  circle w10: c7339.8,2006.33 r135.09
  circle w10: c7979.8,1489.67 r135.09
  circle w10: c8629.8,1489.67 r135.09
  circle w10: c8629.8,2006.33 r135.09
  circle w10: c7979.8,2006.33 r135.09
  circle w10: c8629.8,2523 r135.09
  circle w10: c7979.8,2523 r135.09
  circle w10: c7339.8,2523 r135.09
  lines w7.87: 311.61,856.64 311.61,1959 ; 312,856.64 1334.64,856.64 ; 312,1959 1334.77,1959 ; 1335.17,856.77 1335.17,1959
  lines w8: 5164.61,456.87 5164.61,3449 7015,3449 7015,456.87 5164.61,456.87 ; 7054.61,455.87 8905,455.87 8905,3448 7054.61,3448 7054.61,455.87
  lines w38: 6040,2558.99 5399.99,2558.99 5235,2394 5235,959 5421.01,772.99 6773.99,772.99 6935,934 6935,2344 6775.01,2503.99 5429.99,2503.99 5295,2369 5295,984 5451.01,827.99 6743.99,827.99 6870,954 6870,2329 6750.01,2448.99 5464.99,2448.99 5360,2344 5360,1004 5481.01,882.99 6708.99,882.99 6805,979 6805,2309 6720.01,2393.99 5499.99,2393.99 5425,2319 5425,1024 5511.01,937.99 6678.99,937.99 6740,999 6740,2289 6690.01,2338.99 6336.99,2338.99
  text "智能锁实践教学平台" at 4959,5492.74 h300
  text "计算机学院-嵌入式与物联网实验室" at 4958.93,5222.74 h200
  text "MOTOR-A" at 8316,5147.74 h60
  text "MOTOR-B" at 8316.96,4949.74 h60
  text "上" at 89.94,4761.74 h65 r270
  text "GND" at 8437.93,4736.74 h60
  text "INT" at 8441.88,4551.74 h60
  text "确定" at 94,4520.74 h65 r270
  text "下" at 93.23,4212.74 h65 r270
  text "LOG" at 298,3869.3 h120 r270
  text "AT" at 799,3850.3 h120 r270
  text "开门检测" at 8446,3761.74 h100
  text "VCC" at 3626,3481.74 h35 r270
  text "GND" at 3628,3374.74 h35 r270
  text "RST" at 3627,3262.74 h35 r270
  text "SWIM" at 3628,3157.74 h35 r270
  text "BOOT" at 36,2324.74 h120 r270
  text "复位" at 117,181.74 h100
  text "撬门检测" at 869,182.09 h100
Bottom Overlay:
  text "BLACK" at 6933,3772 h60
  text "RED" at 6871.22,3674 h60
  text "20211020" at 8471,61.3 h100
Bottom Solder:
  rectangle: 6559,3645.74 6784,3846.74
  region: 4808,1301.74 4808,1079.74 5013,1079.74 5013,1301.74

## Dimensions
0,5866.14 to 8937.01,5866.14 on Top Overlay
118.11,5984.25 to 118.11,0 on Top Overlay

## Text inside footprints (layer, text, board x,y; h text height)
OLED1: Top Overlay "OLED_128X64" at 5783.96,4776.71 h20; Bottom Overlay "30" at 6264.56,4454.27 h20 r180
OLED2: Top Overlay "OLED_128X64" at 1392.96,4470.71 h20; Bottom Overlay "30" at 1873.56,4148.27 h20 r180
P1: Top Overlay "1" at 769,3858.74 h50 r180; Top Overlay "2" at 789,3758.74 h50 r180; Top Overlay "5" at 429,3858.74 h50 r180; Top Overlay "6" at 429,3758.74 h50 r180